# Altium PCB UDC_IHM_V2.0.PcbDoc (part 1 of 2) (continued)
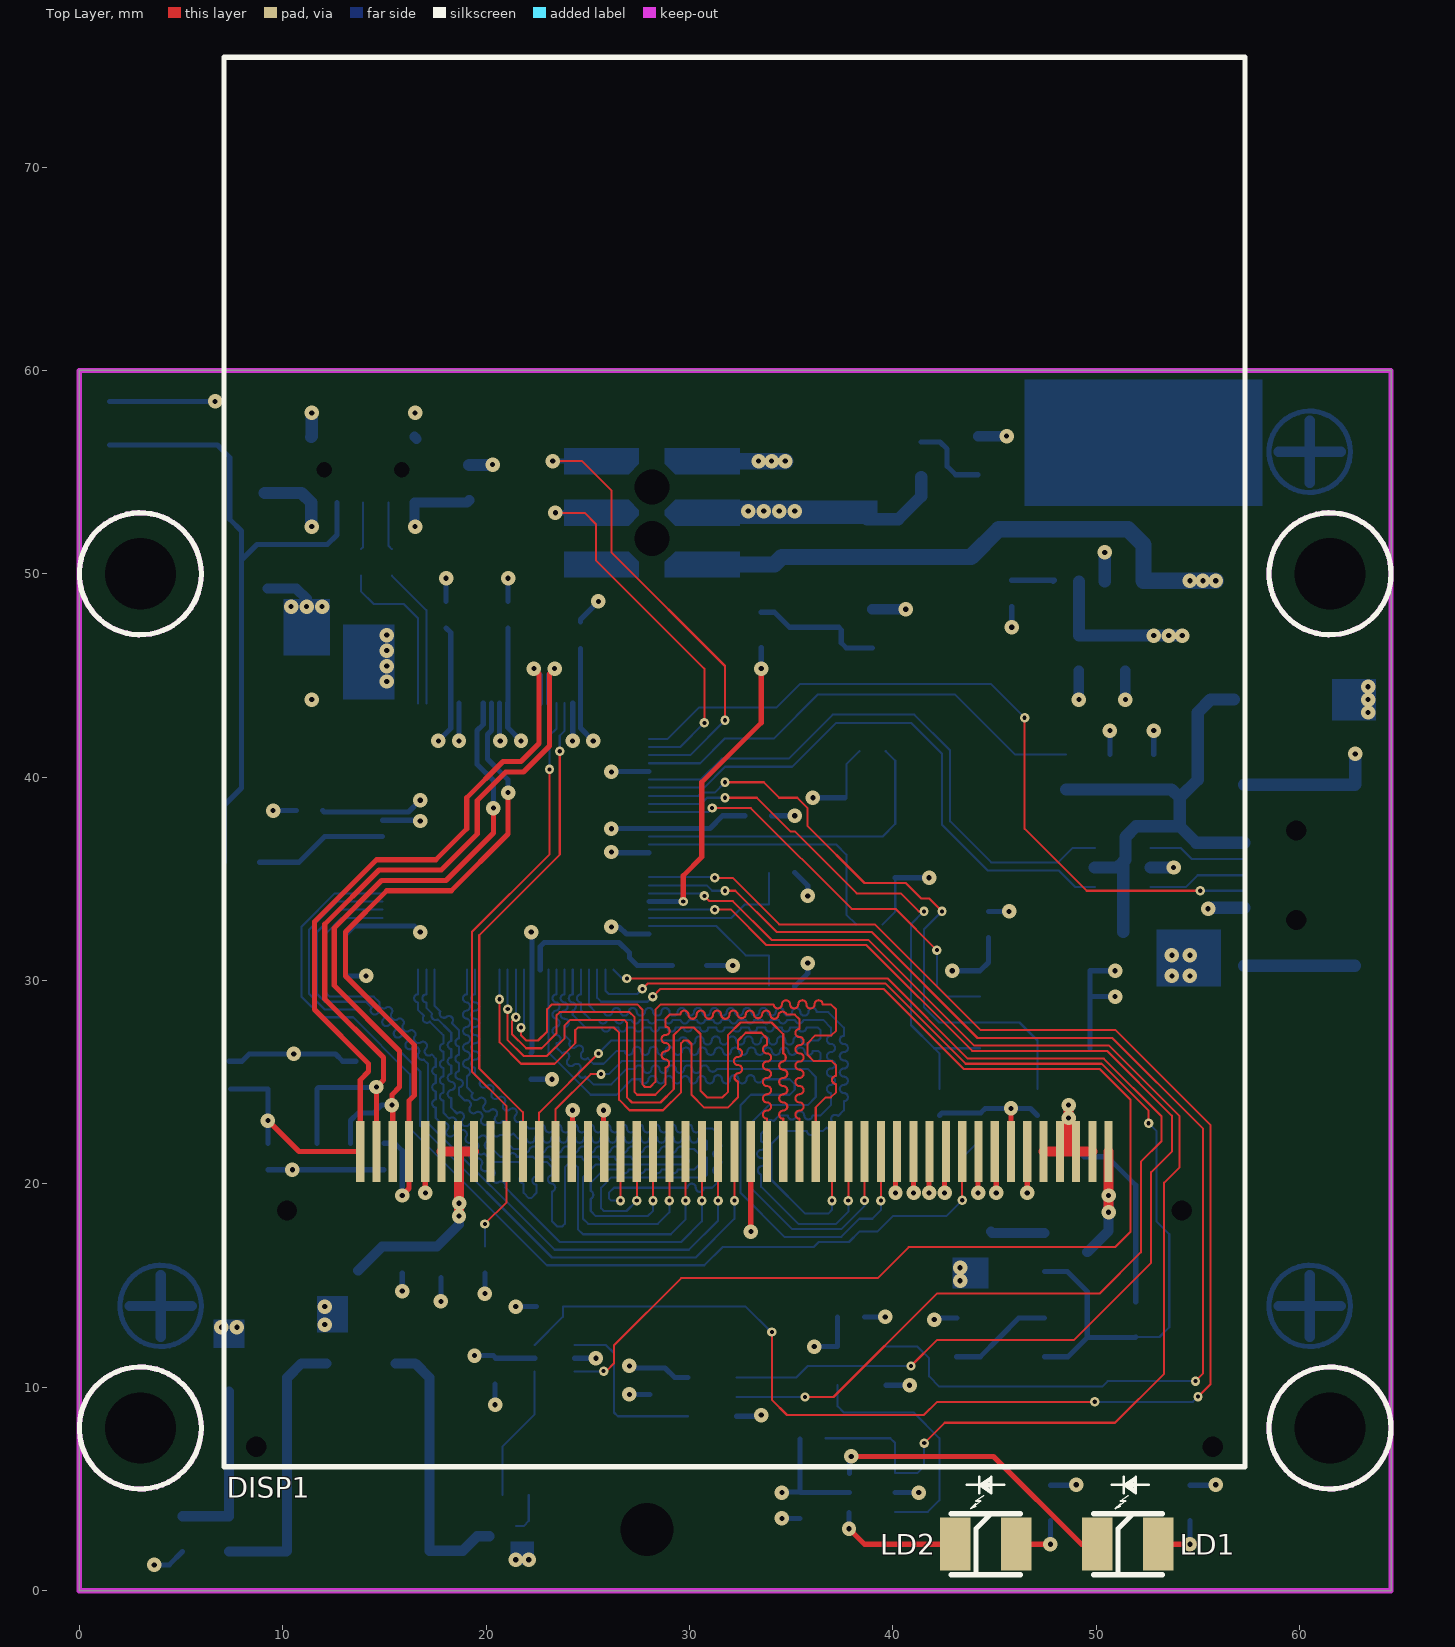
[diagram p0: Top Layer view]
## Components (designator, comment, footprint, x,y, rotation, side; value= is the part's Value field where it differs from the comment) (continued)
PBFREE "" LEAD_FREE_S 6.731,41.656 r180 bottom
Q1 "BC846B" SOT23_N 48.514,16.645 r0 bottom locked
Q2 "BC846B" SOT23_N 48.514,12.454 r0 bottom locked
Q3 "BC846B" SOT23_N 44.196,12.454 r0 bottom locked
R1 "49.9R" "0402 res" 15.367,49.911 r90 bottom locked
R2 "49.9R" "0402 res" 13.843,49.911 r90 bottom locked
R3 "100R" "0603 res" 48.514,40.259 r270 bottom locked
R4 "100K" "0603 res" 50.673,40.259 r90 bottom locked
R5 "10K" "0402 res" 42.291,23.368 r90 bottom locked
R6 "10K" "0402 res" 47.117,23.368 r90 bottom locked
R7 "1K" "0603 res" 51.943,13.335 r90 bottom locked
R8 "10K" "0402 res" 44.323,23.495 r270 bottom
R9 "12R" "0805 res" 44.831,15.756 r90 bottom locked
R10 "10K" "0402 res" 19.939,15.621 r90 bottom locked
R11 "300K" "0603 res" 9.271,25.527 r90 bottom locked
R12 "300K" "0603 res" 11.684,25.527 r90 bottom locked
R13 "10K" "0402 res" 9.271,49.276 r180 bottom
R14 "100R" "0603 res" 8.001,35.814 r0 bottom
R15 "270R" "0603 res" 54.61,4.318 r270 bottom locked
R16 "270R" "0603 res" 47.752,4.318 r270 bottom locked
R17 "10K" "0402 res" 36.703,7.493 r180 bottom
R18 "499R" "0603 res" 33.528,47.244 r270 bottom
R19 "499R" "0603 res" 41.402,55.626 r270 bottom locked
R20 "33R" "0603 res" 7.366,2.794 r270 bottom locked
R21 "10K" "0402 res" 22.098,4.699 r180 bottom
R22 "10K" "0402 res" 22.479,13.97 r0 bottom locked
SPK1 "CSS-73B16K-SMT" CSS-73B16K-SMT 13.716,5.461 r270 bottom locked
SW1 "PTS810 SJM" PTS810 3.556,57.404 r0 bottom locked
T1 "NTA7002NT1G" SC75_SOT416 21.463,3.175 r270 bottom
U1 "TPS79533DC" SOT223-6L 50.419,52.578 r90 bottom locked
U2 "USBLC6-2SC6" SOT23-6 51.308,35.56 r180 bottom locked
U3 "AT24C64D-SSHM-T" SOIC127P600X175-8N 46.99,28.575 r180 bottom locked
U4 "PIC32MX795F512LT-80V/PT" TQFP-PT100_N 21.463,37.084 r0 bottom locked
U5 "SN74LVC1G08DBVR" DBV5 38.481,11.049 r180 bottom locked
U6 "SN74LVC2G06DBVR" DBV6 38.989,4.826 r180 bottom
U7 "SN74LVC1G08DBVR" DBV5 31.115,9.525 r180 bottom locked
U8 "SN74LVC1G3157-Q1" DCK6 23.368,11.43 r180 bottom locked
X1 "ABS07-32.768KHZ-T" "2-SMD - 3.20mm x 1.50mm" 33.909,31.242 r90 bottom locked
X2 "ABM3B-8.000MHZ-10-1-U-T" Crystal_ABM3B 37.719,35.052 r90 bottom locked
? "Comment" Fiducial 60.5,14 r180 bottom locked
? "Comment" Fiducial 60.5,56 r180 bottom locked
? "Comment" Fiducial 4,14 r180 bottom locked

## Footprints (in the part's own frame and the unit in brackets; to place one, negate y for a bottom-side part, rotate by r counter-clockwise, add the part's x,y. Pads: shape width x height; smd on the part's side, far side on the other; paste and mask are expansions set on the pad)
"2-SMD - 3.20mm x 1.50mm" [mm] "ABS07 Series"
  rect 1.1x1.9 smd: 1(0,0) 2(2.5,0)
  silkscreen extent -0.6,-1.2 3.1,1.2, body extent -0.34,-0.76 2.88,0.76, height 0.91
"0402 cap" [mm] "SMD 0402"
  rect 0.9x0.7 smd: 1(0,0) 2(1.3,0)
  silkscreen extent -0.63,-0.55 1.92,0.55, body extent 0.14,-0.3 1.14,0.3, height 0.2
"0402 res" [mm] "SMD 0402"
  rect 0.9x0.7 smd: 1(0,0) 2(1.3,0)
  silkscreen extent -0.63,-0.55 1.92,0.55, body extent 0.13,-0.25 1.13,0.25, height 0.33
"0603 cap" [mil]
  rect 45x40 smd: 1(-33.96,0) 2(33.97,0)
  silkscreen extent -71,-35 71,36, body extent -31,-16 31,16, height 12
"0603 res" [mil]
  rect 45x40 smd: 1(-33.96,0) 2(33.97,0)
  silkscreen extent -71,-35 71,36, body extent -31,-16 31,16, height 17
"0805 ferrit" [mm]
  rect 1.3x1.5 smd: 1(1.9,0) 2(0,0)
  silkscreen extent -1.05,-1.1 2.95,1.1, body extent 0.02,-0.6 2.02,0.6, height 0.95
"0805 res" [mm]
  rect 1.3x1.5 smd: 1(1.9,0) 2(0,0)
  silkscreen extent -1.05,-1.1 2.95,1.1, body extent 0.02,-0.62 2.02,0.63, height 0.59
0805_LED [mm]
  rect 1.3x1.5 smd: 1(1.9,0) 2(0,0)
  silkscreen extent -1.05,-1.1 3.5,1.1, body extent 0.01,-0.63 2.03,0.63, height 1.1
CLP-105-02-L-D-A-K-TR [mm]
  round 0 hole 0.762 unplated: 0(-1.905,0) 0(1.905,0)
  rect 0.74x1.47 smd: 1(-2.54,-1.615) 2(-2.54,1.615) 3(-1.27,-1.615) 4(-1.27,1.615) 5(0,-1.615) 6(0,1.615) 7(1.27,-1.615) 8(1.27,1.615) 9(2.54,-1.615) 10(2.54,1.615)
  silkscreen extent -3.68,-2.92 3.23,1.66, body extent -3.39,-2.16 3.39,2.16, height 2.33
Crystal_ABM3B [mm]
  rect 1.8x1.2 smd: 1(0,0) 2(4,0) 3(4,2.4) 4(0,2.4)
  silkscreen extent -1.52,-1.27 5.21,3.43, body extent -0.45,-0.34 4.55,2.86, height 1.1
CSS-73B16K-SMT [mm]
  rect 2.5x2.5 smd: 1(-3.5,3.5) 2(-3.5,-3.5) 3(3.5,3.5) 4(3.5,-3.5)
  silkscreen extent -6.6,-4.3 4.3,4.3, body extent -4.25,-4.25 4.25,4.25, height 4
DBV5 [mil]
  rect 58x22 smd: 1(-47,37.4) 2(-47,0) 3(-47,-37.4) 4(47,-37.4) 5(47,37.4)
  silkscreen extent -70,-60 35,70, body extent -56,-57 56,58, height 42
DBV6 [mil]
  rect 58x22 smd: 1(-44,37.4) 2(-44,0) 3(-44,-37.4) 4(44,-37.4) 5(44,0) 6(44,37.4)
  silkscreen extent -60,-60 35,75, body extent -56,-57 56,58, height 43
DCK6 [mil]
  rect 46x14 smd: 1(-38.5,25.59) 2(-38.5,0) 3(-38.5,-25.59) 4(38.5,-25.59) 5(38.5,0) 6(38.5,25.59)
  silkscreen extent -59,-42 28,49, body extent -45,-39 45,39, height 37
DIOM5336X265N [mm] "DO-214-AA/SMB Diode, Molded Body; 5.34mm L X 3.625mm W X 2.65mm H, IPC Medium Density"
  rect 2.3x2.15 smd: 1(-2.15,0) 2(2.15,0)
  silkscreen extent -3.93,-1.8 2.65,1.8, body extent -2.7,-1.95 2.7,1.95, height 2.4
Fiducial [mm]
  round 2 smd paste+0 mask+1: FD(0,0)
  Top Layer circle w0.254: c0,0 r2
  Top Layer lines w0.5: 1.524,0 0,0 ; 0,-1.524 0,0 ; 0,1.524 0,0 ; -1.524,0 0,0
  silkscreen extent -2,-2 2,2
LEAD_FREE_S [mm]
  silkscreen extent -3.17,-3.17 3.17,3.17
MI0283QT-9A [mm]
  round 0 hole 1: 0(1.58,0.98) 0(1.58,68.73) 0(3.1,12.6) 0(47.1,12.6) 0(48.62,0.98) 0(48.62,68.73)
  rect 0.4x3 smd: 1(43.5,15.5) 2(42.7,15.5) 3(41.9,15.5) 4(41.1,15.5) 5(40.3,15.5) 6(39.5,15.5) 7(38.7,15.5) 8(37.9,15.5) 9(37.1,15.5) 10(36.3,15.5) 11(35.5,15.5) 12(34.7,15.5) 13(33.9,15.5) 14(33.1,15.5) 15(32.3,15.5) 16(31.5,15.5) 17(30.7,15.5) 18(29.9,15.5) 19(29.1,15.5) 20(28.3,15.5) 21(27.5,15.5) 22(26.7,15.5) 23(25.9,15.5) 24(25.1,15.5) 25(24.3,15.5) 26(23.5,15.5) 27(22.7,15.5) 28(21.9,15.5) 29(21.1,15.5) 30(20.3,15.5) 31(19.5,15.5) 32(18.7,15.5) 33(17.9,15.5) 34(17.1,15.5) 35(16.3,15.5) 36(15.5,15.5) 37(14.7,15.5) 38(13.9,15.5) 39(13.1,15.5) 40(12.3,15.5) 41(11.5,15.5) 42(10.7,15.5) 43(9.9,15.5) 44(9.1,15.5) 45(8.3,15.5) 46(7.5,15.5) 47(6.7,15.5)
  silkscreen extent 0,0 50.2,69.3, body extent 0,0 50.16,69.22, height 4
MUSB-05-S-B-SM-A [mm] "mini usb tipo B Samtec"
  rect 0.6x2.5 smd: 1(1.6,0) 2(0.8,0) 3(0,0) 4(-0.8,0) 5(-1.6,0)
  rect 2x2.5 smd: 6(-4.45,0) 7(-4.45,5.45) 8(4.45,0) 9(4.45,5.45)
  round 0.6 hole 1 unplated: MH1(-2.2,2.56)
  round 0 hole 1 unplated: MH2(2.2,2.56)
  silkscreen extent -3.85,-1.87 3.85,8.43, body extent -4.95,-1.09 4.95,8.41, height 4
P-LCC-2 [mm] "Led SMD"
  rect 1.5x2.6 smd: 1(-1.5,0) 2(1.5,0)
  silkscreen extent -1.7,-1.5 1.7,1.5, body extent -1.75,-1.4 1.75,1.4, height 1.9
PTS810 [mm]
  rect 1.05x0.65 smd: 1(-2.075,1.075) 1(2.075,1.075) 2(-2.075,-1.075) 2(2.075,-1.075)
  silkscreen extent -2.1,-1.6 2.1,1.6
SC75_SOT416 [mm]
  rect 0.356x0.508 smd: 1(0,0) 2(1,0) 3(0.5,1.295)
  body extent -0.29,-0.17 1.31,1.43, height 0.78
SOD123 [mm] "SOD-123; 2 Leads; Body 2.7 x 1.6 mm, (LxW)"
  rect 1.6x0.8 smd: 1(-1.7,0) 2(1.7,0)
  silkscreen extent -1.45,-0.85 1.45,0.85, body extent -1.85,-0.8 1.85,0.8, height 1.27
SOIC127P600X175-8N [mm] "SOIC 8, Pitch 1.27mm - Body 4x5mm, IPC Medium Density"
  rect 1.55x0.6 smd: 1(-2.7,1.905) 2(-2.7,0.635) 3(-2.7,-0.635) 4(-2.7,-1.905) 5(2.7,-1.905) 6(2.7,-0.635) 7(2.7,0.635) 8(2.7,1.905)
  silkscreen extent -2.53,-2.5 1.55,2.88, body extent -3.1,-2.5 3.1,2.5, height 1.75
SOT23-6 [mm]
  rect 1.25x0.6 smd: 1(-1.375,0.95) 2(-1.375,0) 3(-1.375,-0.95) 4(1.375,-0.95) 5(1.375,0) 6(1.375,0.95)
  silkscreen extent -1.5,-1.5 0.35,1.97, body extent -1.48,-1.52 1.52,1.52, height 1.38
SOT23_N [mm] "SOT23, 3-Leads, Body 2.9x1.3mm, Pitch 0.95mm, Lead Span 2.3mm, IPC Medium Density"
  rect 1.3x0.6 smd: 1(-1.05,0.95) 2(-1.05,-0.95) 3(1.05,0)
  silkscreen extent -1.17,-1.5 0.7,1.92, body extent -0.7,-1.5 0.7,1.5, height 1.1
SOT223-6L [mm] "SOT223, 6-Leads, Body 6.5x3.5mm, Pitch 1.27mm, Lead Span 7mm, IPC High Density"
  rect 1.9x0.6 smd: 1(-2.95,2.54) 2(-2.95,1.27) 3(-2.95,0) 4(-2.95,-1.27) 5(-2.95,-2.54)
  rect 1.9x3.1 smd: 6(2.95,0)
  silkscreen extent -3.07,-3.3 1.7,3.42, body extent -3.7,-3.27 3.56,3.28, height 2.05
TQFP-PT100_N [mm] "Thin QFP, 100-Leads, Body 12x12mm, Pitch 0.4mm, IPC Medium Density"
  oval 1.8x0.24 smd: 1(-6.55,4.8) 2(-6.55,4.4) 3(-6.55,4) 4(-6.55,3.6) 5(-6.55,3.2) 6(-6.55,2.8) 7(-6.55,2.4) 8(-6.55,2) 9(-6.55,1.6) 10(-6.55,1.2) 11(-6.55,0.8) 12(-6.55,0.4) 13(-6.55,0) 14(-6.55,-0.4) 15(-6.55,-0.8) 16(-6.55,-1.2) 17(-6.55,-1.6) 18(-6.55,-2) 19(-6.55,-2.4) 20(-6.55,-2.8) 21(-6.55,-3.2) 22(-6.55,-3.6) 23(-6.55,-4) 24(-6.55,-4.4) 25(-6.55,-4.8) 51(6.55,-4.8) 52(6.55,-4.4) 53(6.55,-4) 54(6.55,-3.6) 55(6.55,-3.2) 56(6.55,-2.8) 57(6.55,-2.4) 58(6.55,-2) 59(6.55,-1.6) 60(6.55,-1.2) 61(6.55,-0.8) 62(6.55,-0.4) 63(6.55,0) 64(6.55,0.4) 65(6.55,0.8) 66(6.55,1.2) 67(6.55,1.6) 68(6.55,2) 69(6.55,2.4) 70(6.55,2.8) 71(6.55,3.2) 72(6.55,3.6) 73(6.55,4) 74(6.55,4.4) 75(6.55,4.8)
  oval 0.24x1.8 smd: 26(-4.8,-6.55) 27(-4.4,-6.55) 28(-4,-6.55) 29(-3.6,-6.55) 30(-3.2,-6.55) 31(-2.8,-6.55) 32(-2.4,-6.55) 33(-2,-6.55) 34(-1.6,-6.55) 35(-1.2,-6.55) 36(-0.8,-6.55) 37(-0.4,-6.55) 38(0,-6.55) 39(0.4,-6.55) 40(0.8,-6.55) 41(1.2,-6.55) 42(1.6,-6.55) 43(2,-6.55) 44(2.4,-6.55) 45(2.8,-6.55) 46(3.2,-6.55) 47(3.6,-6.55) 48(4,-6.55) 49(4.4,-6.55) 50(4.8,-6.55) 76(4.8,6.55) 77(4.4,6.55) 78(4,6.55) 79(3.6,6.55) 80(3.2,6.55) 81(2.8,6.55) 82(2.4,6.55) 83(2,6.55) 84(1.6,6.55) 85(1.2,6.55) 86(0.8,6.55) 87(0.4,6.55) 88(0,6.55) 89(-0.4,6.55) 90(-0.8,6.55) 91(-1.2,6.55) 92(-1.6,6.55) 93(-2,6.55) 94(-2.4,6.55) 95(-2.8,6.55) 96(-3.2,6.55) 97(-3.6,6.55) 98(-4,6.55) 99(-4.4,6.55) 100(-4.8,6.55)
  silkscreen extent -6.67,-5.25 5.25,5.59, body extent -6,-6 6,6, height 1.2
TSM-103-01-S-DV-A-M-TR [mil]
  oct 50x137.8 smd mask+2: 1(100,97.5) 2(100,-97.5) 3(0,97.5) 4(0,-97.5) 5(-100,97.5) 6(-100,-97.5)
  round 0 hole 68 unplated: MH1(50,0) MH2(-50,0)
  Top Layer region: 125,-170 75,-170 75,-45 95,-25 125,-25 125,-170
  Top Layer region: 125,25 95,25 75,45 75,170 125,170 125,25
  Top Layer region: 25,-170 -25,-170 -25,-45 -5,-25 5,-25 25,-45 25,-170
  Top Layer region: -75,-170 -125,-170 -125,-25 -95,-25 -75,-45 -75,-170
  Top Layer region: 25,45 5,25 -5,25 -25,45 -25,170 25,170 25,45
  Top Layer region: -75,45 -95,25 -125,25 -125,170 -75,170 -75,45
  silkscreen extent -150,-100 167,147, body extent -150,-145 150,145, height 388

## Part data
C1 C4 C6 C8 C18: library part "Cap Ceram 0603", "CAP CER 0.1UF 50V 10% X7R 0603"
C2 C3 C7 C10 C19 C20 C34: library part "Cap Ceram 0603", "CAP,CER,SMD 0603,10uF,16V,X5R,+/-20%"
C5 C12 C13 C14 C15 C16 C17: library part "Cap Ceram 0402", "CAP CER 10000PF 16V 10% X7R 0402"
C9 C11 C21 C22 C23 C24 C25 C26 C27 C32 C33 C35 C36: library part "Cap Ceram 0402", "CAP CER 0.1UF 10V 10% X5R 0402"
C28 C29 C30 C31: library part "Cap Ceram 0402", "CAP CER 22PF 50V 5% NP0 0402"
CON1: "CONN RCPT 10POS DUAL .05\" SMD"
CON2: "Terminal Strip, Dual Row Vertical, Surface Mount, 0.100\" Pitch, 6 Pins."
CON3: "USB 2.0, Right Angle, SMT, B Type, Receptacle, 5 Position"
D1: "Diode"
D2: "DIODE SML SIG 100V 0.2A SOD123"
DISP1: "Display TFT 320x240  com tela resistiva"
L1 L2 L3: library part "Ferrite Bead 0805", "FERRITE CHIP 220 OHM 0805"
LD1: "LED GREEN ROUND CLEAR SMD 100mcd, PLLC 2"
LD2: "LED 635NM RED 2-PLCC SMD"
LD3 LD4: "LED SUPER RED CLEAR 0805 SMD"
Q1 Q2 Q3: "TRANS NPN 65V 0.1A SOT23"
R1 R2: library part "Resistor 0402", "RES 49.9 OHM 1/10W 1% 0402 SMD"
R3 R14: library part "Resistor 0603", "RES 100 OHM 1/8W 1% SMD 0603"
R4: library part "Resistor 0603", "RES 100K OHM 1/10W 5% 0603 SMD"
R5 R6 R8 R10 R13 R17 R21 R22: library part "Resistor 0402", "RES 10K OHM 1/16W 5% 0402 SMD"
R7: library part "Resistor 0603", "RES 1.00K OHM 1/8W 1% SMD 0603"
R9: library part "Resistor 0805", "RES 12 OHM 1/2W 5% 0805 SMD"
R11 R12: library part "Resistor 0603", "RES 300K OHM 1/10W 1% 0603 SMD"
R15 R16: library part "Resistor 0603", "RES 270 OHM 1/10W 1% 0603 SMD"
R18 R19: library part "Resistor 0603", "RES 499 OHM 1/10W 1% 0603 SMD"
R20: library part "Resistor 0603", "RESISTOR, THICK FILM, 33 OHM, 100mW, 1%"
SPK1: "BUZZER MAGNETIC 3.6V 8.5MM SMD"
SW1: library part "PTS810 SJM 250 SMTR LFS", "SWITCH TACTILE SPST-NO 0.05A 16V"
T1: "MOSFET N-CH 30V 154MA SOT-416"
U1: library part TPS79533DCQR, "IC REG LDO 3.3V 0.5A SOT223-6"
U2: "STMICROELECTRONICS - USBLC6-2SC6 - ESD PROTECTION, 3.5PF, 17V, SOT23"
U3: "IC EEPROM 64KBIT 1MHZ 8SOIC"
U4: "High Performance 80 MHz MIPS-Based 32-Bit Flash Microcontroller with USB, CAN and Ethernet, 512KB Program Memory, 100-pin TQFP, V-Temperature, Tape and Reel"
U5 U7: "IC GATE AND 1CH 2-INP SOT-23-5"
U6: "IC INVERTER DUAL 1INPUT SOT23-6"
U8: "Analog Switch ICs Auto Cat Sngl-Pole Dbl-Thrw Anlg Switch"
X1: "ABRACON - ABS07-32.768KHZ-T - CRYSTAL, 32.768KHZ, 12.5PF, SMD"
X2: "CRYSTAL 8MHZ 10PF SMD"

## Free pads (board coordinates)
  round 0 hole 3.5 unplated: 0(3,8) 0(3,50) 0(61.5,8) 0(61.5,50)
  round 0 hole 2.6 unplated: 0(27.92,3)

## Via types
v1: diameter 0.711, hole 0.254, Top Layer to Bottom Layer, tented both sides, 138 vias
v2: diameter 0.457, hole 0.204, Top Layer to Bottom Layer, tented both sides, 49 vias

## Nets (pads, with @x,y where several pads share a name; then routed paths per layer and width w, separated by ;. In a path a pad name is that pad's centre, name@x,y a point inside that pad or via, vN(x,y) a via of type N, cw(c..) or ccw(c..) an arc to the next point about the centre after c; other vN are vias at no path point)
4KHZ: U4.76 U7.2 | length 59.9
  Top Layer w0.102: v2(26.924,30.099) 39.751,30.099 43.688,26.162 50.375,26.162 53.213,23.324 53.213,22.098 52.197,21.082 52.197,16.637 50.165,14.605 42.164,14.605 37.084,9.525 v2(35.687,9.525)
  Bottom Layer w0.102: U4.76@26.263,30.534 26.698,30.099 v2(26.924,30.099) ; U7.2@32.309,9.525 v2(35.687,9.525)
5V_EXT: C7.2 C8.2 CON3.1 D1.2 R3.2 R4.1 U2.5 | length 26.4
  Bottom Layer w0.6: R3.2@48.514,39.396 53.709,39.396 54.109,38.996 ; U2.5@49.933,35.56 51.054,35.56 51.334,35.84 ; C8.2@51.334,32.385 51.334,35.84 ; D1.2@56.778,43.815 55.626,43.815 54.991,43.18 54.991,39.878 54.109,38.996 ; CON3.1@57.277,36.779 54.915,36.779 54.109,37.585 ; 51.334,35.84 51.435,35.941 51.435,37.06 51.96,37.585 54.109,37.585 ; 54.109,37.585 54.109,38.996
16HZ: U4.72 U5.2 U7.1 | length 60.3
  Top Layer w0.102: v2(31.242,33.484) 32.048,33.484 33.782,31.75 38.695,31.75 43.902,26.543 50.533,26.543 53.721,23.355 53.721,21.59 52.705,20.574 52.705,16.129 48.895,12.319 42.164,12.319 v2(40.894,11.049)
  Bottom Layer w0.102: U4.72@28.013,33.484 v2(31.242,33.484) ; U7.1@32.309,10.475 35.24,10.475 35.814,11.049 U5.2@39.675,11.049 v2(40.894,11.049)
EEPROM-WP: U3.7 U4.60 | length 21.2
  Top Layer w0.102: v2(31.115,38.481) 33.02,38.481 37.973,33.528 40.132,33.528 v2(42.164,31.496)
  Bottom Layer w0.102: U4.60@28.013,38.284 30.918,38.284 v2(31.115,38.481) ; v2(42.164,31.496) 42.164,29.718 42.672,29.21 U3.7@44.29,29.21
GND: C1.1 C2.1 C3.1 C4.1 C5.1 C6.1 C7.1 C8.1 C9.1 C10.1 C11.1 C12.1 C13.1 C14.1 C15.1 C18.1 C19.1 C20.1 C21.1 C22.1 C23.1 C24.1 C25.1 C26.1 C27.1 C28.1 C29.1 C30.1 C31.1 C32.1 C33.1 C34.1 C35.1 C36.1 CON1.9 CON1.10 CON2.4 CON2.6 CON3.5 CON3.6 CON3.7 CON3.8 CON3.9 DISP1.6 DISP1.8 DISP1.9 DISP1.11 DISP1.12 DISP1.13 DISP1.14 DISP1.23 DISP1.32 DISP1.34 DISP1.43 Q3.2 R4.2 R9.2 R19.2 R22.1 SW1.2 T1.2 U1.3 U2.2 U3.1 U3.2 U3.3 U3.4 U4.15 U4.31 U4.36 U4.45 U4.65 U4.75 U5.3 U6.2 U7.3 U8.2 X2.2 X2.4 | length 125
  Top Layer w0.254: v1@17.012,19.564 DISP1.43@17.012,21.596 ; DISP1.34@24.257,21.641 v1(24.257,23.622) ; DISP1.32@25.781,21.627 v1(25.781,23.622) ; v1@33.012,17.661 DISP1.23@33.012,21.596 ; v1(40.132,19.558) DISP1.14@40.132,21.516 ; v1(41.021,19.558) DISP1.13@41.021,21.587 ; v1(41.783,19.558) DISP1.12@41.783,21.567 ; v1(42.545,19.558) DISP1.11@42.545,21.529 ; v1(44.196,19.558) DISP1.9@44.196,21.58 ; v1(45.085,19.558) DISP1.8@45.085,21.523 ; v1(46.609,19.558) DISP1.6@46.609,21.593
  Bottom Layer w0.102: X2.2@37.719,39.052 37.719,40.64 C31.1@38.354,41.275 ; C30.1@39.497,32.766 40.119,33.388 X2.4@40.119,35.052
  Bottom Layer w0.254: SW1.2@1.481,58.479 SW1.2@5.631,58.479 v1(6.672,58.479) ; v1(3.683,1.27) 4.419,1.27 C34.1@5.08,1.931 ; C15.1@9.271,20.701 C14.1@11.684,20.701 C12.1@14.986,20.701 ; v1(9.525,38.354) C22.1@10.668,38.354 ; C21.1@13.081,30.226 v1(14.097,30.226) ; U4.15@14.913,37.884 v1@16.726,37.884 ; v1(15.875,14.732) C11.1@15.875,15.621 ; v1(17.78,14.224) C10.1@17.78,15.393 ; C27.1@18.034,48.641 v1(18.034,49.784) ; v1@18.663,41.789 U4.31@18.663,43.634 ; v1(20.447,9.144) C36.1@20.447,10.16 ; v1@20.663,41.821 U4.36@20.663,43.634 ; C23.1@21.082,48.641 v1(21.082,49.784) ; v1(21.463,13.97) R22.1@22.479,13.97 ; C26.1@22.225,25.146 v1(23.241,25.146) ; v1(24.257,41.783) 24.263,41.789 U4.45@24.263,43.634 ; U8.2@24.346,11.43 v1(25.4,11.43) ; C24.1@24.638,47.625 24.638,47.752 v1(25.527,48.641) ; v1(26.162,32.639) 26.543,32.639 26.898,32.284 U4.75@28.013,32.284 ; v1(26.162,36.322) 26.2,36.284 U4.65@28.013,36.284 ; v1(27.051,9.652) C35.1@28.067,9.652 ; C19.1@30.835,30.734 v1(32.131,30.734) ; U7.3@32.309,8.575 v1@33.467,8.575 ; C25.1@34.036,38.1 v1(35.179,38.1) ; v1(34.544,3.556) C33.1@35.433,3.556 ; C28.1@35.179,29.718 35.814,30.353 v1(35.814,30.861) ; C29.1@35.179,35.306 35.814,34.671 v1(35.814,34.163) ; v1(36.068,38.989) X2.2@37.656,38.989 ; C32.1@38.608,13.462 v1(39.624,13.462) ; U5.3@39.675,10.099 v1(40.828,10.099) ; U6.2@40.107,4.826 v1(41.275,4.826) ; X2.4@40.119,35.052 v1(41.783,35.052) ; v1@42.114,13.404 Q3.2@43.146,13.404 ; C9.1@44.704,33.401 v1(45.72,33.401) ; v1(45.847,47.371) C5.1@45.847,48.387 ; U3.4@49.69,26.67 U3.3@49.69,27.94 U3.2@49.69,29.21 ; R4.2@50.673,41.122 v1(50.673,42.291) ; v1(50.927,29.21) U3.2@49.69,29.21 ; v1(50.927,30.48) U3.1@49.69,30.48 U3.2@49.69,29.21 ; C7.1@52.832,41.122 v1(52.832,42.291)
  Bottom Layer w0.508: v1(49.149,43.815) C3.1@49.149,45.238 ; v1(51.435,43.815) C4.1@51.435,45.238
  Bottom Layer w0.6: C18.1@9.118,53.975 10.928,53.975 CON1.9@11.4,53.503 11.4,52.354 v1(11.43,52.324) ; CON1.10@11.4,56.733 11.43,56.763 v1(11.43,57.912) ; C1.1@19.177,55.346 20.294,55.346 v1(20.32,55.372) ; C6.1@38.735,52.679 40.267,52.679 41.402,53.813 R19.2@41.402,54.763 ; U1.3@50.419,49.628 v1(50.419,51.054) ; U2.2@52.683,35.56 v1(53.808,35.56) ; v1@55.55,33.579 CON3.5@57.277,33.579 ; CON3.6@57.277,30.729 CON3.7@62.727,30.729 ; CON3.8@57.277,39.629 CON3.9@62.727,39.629 62.738,39.64 v1(62.738,41.148)
  Bottom Layer w0.8: CON2.6@30.626,55.54 v1(34.712,55.54)
  other v1: 21.463,1.524 22.098,1.524 33.528,8.636 42.037,13.327 43.307,15.24 43.307,15.875 33.02,17.653 17.018,19.558 10.477,20.701 53.721,30.226 54.61,30.226 53.721,31.242 54.61,31.242 55.499,33.528 16.764,37.846 18.669,41.783 20.701,41.783 11.43,43.815 32.893,53.086 33.655,53.086 34.417,53.086 35.179,53.086 33.401,55.54 34.036,55.54
I2C_CLK: R6.2 U3.6 U4.58 | length 31.6
  Top Layer w0.102: v2(31.75,39.751) 33.655,39.751 34.417,38.989 35.306,38.989 35.814,38.481 35.814,37.592 38.608,34.798 40.64,34.798 41.402,34.036 41.783,34.036 v2(42.418,33.401)
  Bottom Layer w0.102: U4.58@28.013,39.084 30.448,39.084 30.607,39.243 31.242,39.243 v2(31.75,39.751) ; v2(42.418,33.401) 41.529,32.512 41.529,28.702 42.291,27.94 U3.6@44.29,27.94 46.228,27.94 47.117,27.051 R6.2@47.117,24.668
I2C_SDA: R5.2 U3.5 U4.59 | length 27.8
  Top Layer w0.102: v2(31.75,38.989) 33.312,38.989 34.963,37.338 35.179,37.338 38.227,34.29 40.386,34.29 41.275,33.401 v2(41.529,33.401)
  Bottom Layer w0.102: U4.59@28.013,38.684 30.556,38.684 30.861,38.989 v2(31.75,38.989) ; v2(41.529,33.401) 40.894,32.766 40.894,27.813 42.037,26.67 ; R5.2@42.291,24.668 42.291,26.416 42.037,26.67 ; U3.5@44.29,26.67 42.037,26.67
ITLK_LED_CTRL: U4.69 U5.1 | length 61.4
  Top Layer w0.102: v2(31.75,34.417) 32.258,34.417 34.29,32.385 38.958,32.385 44.165,27.178 50.796,27.178 55.245,22.729 55.245,10.668 v2(54.879,10.302) v2@54.864,10.287
  Bottom Layer w0.102: U4.69@28.013,34.684 30.848,34.684 31.115,34.417 v2(31.75,34.417) ; U5.1@39.675,11.999 41.214,11.999 41.783,11.43 41.783,10.541 42.291,10.033 50.292,10.033 50.561,10.302 v2(54.879,10.302)
LCD-BLED: Q1.1 Q2.1 Q2.3 R7.1 U4.77 | length 53.2
  Top Layer w0.102: v2(27.686,29.591) 27.94,29.845 39.646,29.845 43.583,25.908 50.27,25.908 52.578,23.6 v2(52.578,22.987)
  Bottom Layer w0.102: U4.77@25.863,30.534 25.863,29.509 26.035,29.337 27.432,29.337 v2(27.686,29.591) ; R7.1@51.943,12.472 53.112,12.472 53.594,12.954 53.594,17.526 52.959,18.161 52.959,22.606 v2(52.578,22.987)
  Bottom Layer w0.254: Q2.1@47.464,11.504 48.614,11.504 Q2.3@49.564,12.454 ; Q1.1@47.464,15.695 48.575,15.695 49.564,14.706 Q2.3@49.564,12.454 ; R7.1@51.943,12.472 51.925,12.454 Q2.3@49.564,12.454
LCD-CS#: DISP1.38 R10.2 U4.43 | length 29.6
  Top Layer w0.102: v2(19.939,18.034) 21.012,19.107 DISP1.38@21.012,21.596 21.012,23.819 19.304,25.527 19.304,32.385 23.114,36.195 v2(23.114,40.386)
  Bottom Layer w0.102: R10.2@19.939,16.921 v2(19.939,18.034) ; v2(23.114,40.386) 23.114,42.037 23.463,42.386 U4.43@23.463,43.634
LCD-RS: DISP1.37 U4.44 | length 24.7
  Top Layer w0.102: DISP1.37@21.812,21.596 21.812,23.527 19.663,25.676 19.663,32.236 23.622,36.195 v2(23.622,41.275)
  Bottom Layer w0.102: v2(23.622,41.275) 23.622,42.037 23.863,42.278 U4.44@23.863,43.634
LCD-RST: DISP1.10 R8.2 U4.6 | length 54.7
  Top Layer w0.102: v2(43.412,19.199) DISP1.10@43.412,21.596
  Bottom Layer w0.102: U4.6@14.913,34.284 12.567,34.284 10.922,32.639 10.922,29.21 11.938,28.194 13.462,28.194 16.256,25.4 16.256,22.733 22.987,16.002 30.734,16.002 31.623,16.891 36.1,16.891 36.354,17.145 37.846,17.145 38.354,17.653 39.243,17.653 40.005,18.415 42.628,18.415 v2(43.412,19.199) 43.412,21.284 R8.2@44.323,22.195
LCD-XL: C14.2 C17.2 DISP1.46 R12.1 U4.42 | length 39.5
  Top Layer w0.254: DISP1.46@14.612,21.596 14.605,21.603 v1(14.605,24.765) 14.95,25.11 14.95,26.21 12.065,29.095 12.065,32.766 14.732,35.433 17.792,35.433 19.564,37.205 19.564,38.858 20.965,40.259 21.844,40.259 23.114,41.529 23.114,45.085 v1(23.368,45.339)
  Bottom Layer w0.254: C14.2@11.684,22.001 R12.1@11.684,24.664 11.755,24.735 C17.2@13.589,24.735 v1@14.575,24.735 ; U4.42@23.063,43.634 23.063,45.034 v1(23.368,45.339)
LCD-XR: C12.2 DISP1.44 U4.35 | length 34.8
  Top Layer w0.254: v1(15.875,19.431) 16.212,19.768 DISP1.44@16.212,21.596 16.212,24.086 16.468,24.342 16.468,26.839 13.081,30.226 13.081,32.385 15.113,34.417 18.288,34.417 21.082,37.211 v1(21.082,39.243)
  Bottom Layer w0.254: C12.2@14.986,22.001 15.509,22.001 15.875,21.635 v1(15.875,19.431) ; U4.35@20.263,43.634 20.263,42.29 20.066,42.093 20.066,40.894 21.082,39.878 v1(21.082,39.243)
LCD-YD: C13.2 DISP1.45 U4.34 | length 32.5
  Top Layer w0.254: v1(15.367,23.876) 15.367,24.384 15.748,24.765 15.748,26.541 12.531,29.758 12.531,32.591 14.865,34.925 18.034,34.925 20.362,37.253 v1(20.362,38.481) ; DISP1.45@15.412,21.596 v1@15.412,23.831
  Bottom Layer w0.254: C13.2@13.335,22.001 13.335,23.114 13.716,23.495 14.478,23.495 14.859,23.876 v1(15.367,23.876) ; U4.34@19.863,43.634 19.863,42.596 19.558,42.291 19.558,40.64 20.362,39.836 v1(20.362,38.481)
LCD-YU: C15.2 C16.2 DISP1.47 R11.1 U4.41 | length 43.4
  Top Layer w0.254: v1(9.271,23.114) 10.795,21.59 DISP1.47@13.806,21.59 ; DISP1.47@13.812,21.596 13.812,25.115 14.224,25.527 14.224,25.91 11.557,28.577 11.557,32.893 14.605,35.941 17.526,35.941 19.05,37.465 19.05,38.989 20.828,40.767 21.717,40.767 22.606,41.656 22.606,45.085 v1(22.352,45.339)
  Bottom Layer w0.254: C16.2@7.437,24.664 R11.1@9.271,24.664 v1(9.271,23.114) C15.2@9.271,22.001 ; v1(22.352,45.339) 22.663,45.028 U4.41@22.663,43.634
NetC5_2: C5.2 U1.5 | length 2.2
  Bottom Layer w0.254: C5.2@45.847,49.687 47.938,49.687 U1.5@47.879,49.628
NetC10_2: C10.2 C11.2 DISP1.40 DISP1.41 DISP1.42 L1.1 | length 11.7
  Top Layer w0.5: DISP1.42@17.812,21.596 DISP1.41@18.612,21.596 ; v1@18.675,18.415 18.675,21.533 DISP1.41@18.612,21.596 ; DISP1.40@19.412,21.596 DISP1.41@18.612,21.596
  Bottom Layer w0.5: L1.1@13.716,15.743 14.894,16.921 C11.2@15.875,16.921 17.582,16.921 C10.2@17.78,17.119 18.669,18.008 v1@18.669,19.05
  other v1: 18.669,18.415 18.675,19.05
NetC19_2: C19.2 U4.85 | length 8.4
  Bottom Layer w0.254: U4.85@22.663,30.534 22.663,31.68 22.86,31.877 26.543,31.877 27.051,31.369 27.051,31.121 27.438,30.734 C19.2@29.172,30.734
NetC20_2: C20.2 C21.2 C22.2 C23.2 C24.2 C25.2 C26.2 C27.2 L2.2 U4.2 U4.16 U4.30 U4.37 U4.46 U4.55 U4.62 U4.86 | length 41
  Bottom Layer w0.254: C22.2@11.968,38.354 12.038,38.284 U4.16@14.913,38.284 16.186,38.284 v1(16.764,38.862) ; C21.2@13.081,31.526 13.081,32.258 13.507,32.684 U4.2@14.913,32.684 16.465,32.684 v1(16.764,32.385) ; v1(17.653,41.783) 18.263,42.393 U4.30@18.263,43.634 18.263,47.112 C27.2@18.034,47.341 ; C23.2@21.082,47.341 21.082,43.653 U4.37@21.063,43.634 21.063,42.437 v1(21.717,41.783) ; C26.2@22.225,26.446 22.263,26.484 U4.86@22.263,30.534 22.263,32.347 v1(22.225,32.385) ; C24.2@24.638,46.325 24.638,42.418 v1(25.273,41.783) ; v1(26.162,40.259) 26.187,40.284 U4.55@28.013,40.284 ; v1@26.181,37.484 U4.62@28.013,37.484 31.007,37.484 31.623,38.1 C25.2@32.736,38.1
  other v1: 26.162,37.465 15.113,44.704 15.113,45.466 15.113,46.228 15.113,46.99
NetC28_2: C28.2 U4.74 X1.1 | length 8
  Bottom Layer w0.102: U4.74@28.013,32.684 31.324,32.684 32.766,31.242 X1.1@33.909,31.242 C28.2@33.909,29.748
NetC29_2: C29.2 U4.73 X1.2 | length 7.7
  Bottom Layer w0.102: U4.73@28.013,33.084 32.068,33.084 32.726,33.742 X1.2@33.909,33.742 C29.2@33.909,35.276
NetC30_2: C30.2 U4.64 X2.1 | length 13.5
  Bottom Layer w0.102: U4.64@28.013,36.684 37.23,36.684 37.719,36.195 X2.1@37.719,35.052 37.719,33.244 C30.2@38.197,32.766
NetC31_2: C31.2 U4.63 X2.3 | length 16.1
  Bottom Layer w0.102: U4.63@28.013,37.084 39.497,37.084 40.119,37.706 X2.3@40.119,39.052 40.119,40.81 C31.2@39.654,41.275
NetC34_2: C34.2 L3.2 R20.1 | length 8.4
  Bottom Layer w0.5: C34.2@5.08,3.657 R20.1@7.366,3.657 L3.2@7.366,9.779
NetCON1_3: CON1.3 R1.2 | length 2.4
  Bottom Layer w0.102: CON1.3@15.21,53.503 15.21,51.368 R1.2@15.367,51.211
NetCON1_5: CON1.5 R2.2 | length 2.3
  Bottom Layer w0.102: R2.2@13.843,51.211 13.94,51.308 CON1.5@13.94,53.503
NetCON3_2: CON3.2 U2.1 | length 4.8
  Bottom Layer w0.102: U2.1@52.683,36.51 54.168,36.51 54.699,35.979 CON3.2@57.277,35.979
NetCON3_3: CON3.3 U2.3 | length 4.8
  Bottom Layer w0.102: U2.3@52.683,34.61 54.422,34.61 54.991,35.179 CON3.3@57.277,35.179
NetD2_1: D2.1 SPK1.2 SPK1.4 T1.3 | length 13.7
  Bottom Layer w0.5: D2.1@15.543,11.176 16.51,11.176 17.216,10.47 SPK1.2@17.216,8.961 SPK1.4@17.216,1.961 18.852,1.961 19.566,2.675 T1.3@20.168,2.675
NetD2_2: D2.2 R20.2 SPK1.1 SPK1.3 | length 13.6
  Bottom Layer w0.5: R20.2@7.366,1.931 10.186,1.931 SPK1.3@10.216,1.961 SPK1.1@10.216,8.961 10.216,10.47 10.922,11.176 D2.2@12.143,11.176
NetDISP1_1: DISP1.1 Q1.3 | length 6.2
  Top Layer w0.5: v1(50.612,18.608) DISP1.1@50.612,21.596
  Bottom Layer w0.5: Q1.3@49.564,16.645 50.612,17.693 v1(50.612,19.431)
NetLD1_1: LD1.1 U6.6 | length 14.8
  Top Layer w0.254: v1(37.958,6.604) 44.958,6.604 49.276,2.286 LD1.1@50.062,2.286
  Bottom Layer w0.254: U6.6@37.871,5.776 37.871,6.518 v1(37.958,6.604)
NetLD1_2: LD1.2 R15.2 | length 2.7
  Top Layer w0.254: LD1.2@53.062,2.286 v1(54.61,2.286)
  Bottom Layer w0.254: v1(54.61,2.286) R15.2@54.61,3.455
NetLD2_1: LD2.1 U6.4 | length 6.3
  Top Layer w0.254: v1(37.846,3.048) 38.608,2.286 LD2.1@43.077,2.286
  Bottom Layer w0.254: v1(37.846,3.048) U6.4@37.846,3.851
NetLD2_2: LD2.2 R16.2 | length 2.8
  Top Layer w0.254: LD2.2@46.077,2.286 v1(47.752,2.286)
  Bottom Layer w0.254: v1(47.752,2.286) R16.2@47.752,3.455
NetLD3_1: LD3.1 R18.1 | length 6.6
  Bottom Layer w0.254: R18.1@33.528,48.107 34.189,48.107 34.925,47.371 37.338,47.371 37.465,47.244 37.465,46.609 37.714,46.36 LD3.1@38.989,46.36
NetLD4_1: LD4.1 R19.1 | length 4
  Bottom Layer w0.254: R19.1@41.402,56.489 42.317,56.489 42.672,56.134 42.672,55.288 43.091,54.869 LD4.1@44.196,54.869
NetQ1_2: Q1.2 R9.1 | length 2.7
  Bottom Layer w0.5: R9.1@44.831,17.656 44.892,17.595 Q1.2@47.464,17.595
NetQ2_2: Q2.2 Q3.1 Q3.3 | length 5.1
  Bottom Layer w0.254: Q3.1@43.146,11.504 44.296,11.504 Q3.3@45.246,12.454 46.196,13.404 Q2.2@47.464,13.404
NetR14_2: R14.2 U4.13 | length 6.6
  Bottom Layer w0.254: R14.2@8.864,35.814 10.795,35.814 12.065,37.084 U4.13@14.913,37.084
NetR21_1: R21.1 T1.1 | length 2
  Bottom Layer w0.102: T1.1@21.463,3.175 21.844,3.175 22.098,3.429 R21.1@22.098,4.699
NetR21_2: R21.2 U8.4 | length 6.7
  Bottom Layer w0.102: R21.2@20.798,4.699 20.798,7.082 22.39,8.674 U8.4@22.39,10.78
NetU5_4: U5.4 U6.3 | length 12.2
  Bottom Layer w0.102: U5.4@37.287,10.099 37.287,9.068 37.592,8.763 41.021,8.763 42.291,7.493 42.291,4.445 41.722,3.876 U6.3@40.107,3.876
NetU7_4: U7.4 U8.1 | length 8.7
  Bottom Layer w0.102: U8.1@24.346,12.08 25.893,12.08 26.289,11.684 26.289,8.763 26.477,8.575 U7.4@29.921,8.575
OPERATIONPIC: R18.2 U4.71 | length 15.8
  Top Layer w0.254: v2(29.693,33.884) 29.693,35.154 30.607,36.068 30.607,39.751 33.528,42.672 v1(33.528,45.339)
  Bottom Layer w0.254: U4.71@28.013,33.884 v2(29.693,33.884) ; v1(33.528,45.339) R18.2@33.528,46.381
PGC: R2.1 U4.26 | length 8.3
  Bottom Layer w0.102: R2.1@13.843,49.911 13.843,49.149 14.478,48.514 15.951,48.514 16.663,47.802 U4.26@16.663,43.634
PGD: R1.1 U4.27 | length 7
  Bottom Layer w0.102: R1.1@15.367,49.911 17.063,48.215 U4.27@17.063,43.634